# Altium PCB ExternalModule.PcbDoc
Units mm, origin at the board's own origin, x right, y up, seen from the top; angles counter-clockwise.
Board outline 148.59 x 69.85 mm, 2 copper layers (Top Layer, Bottom Layer); 103 components, 94 nets, 281 pads, 14 vias.
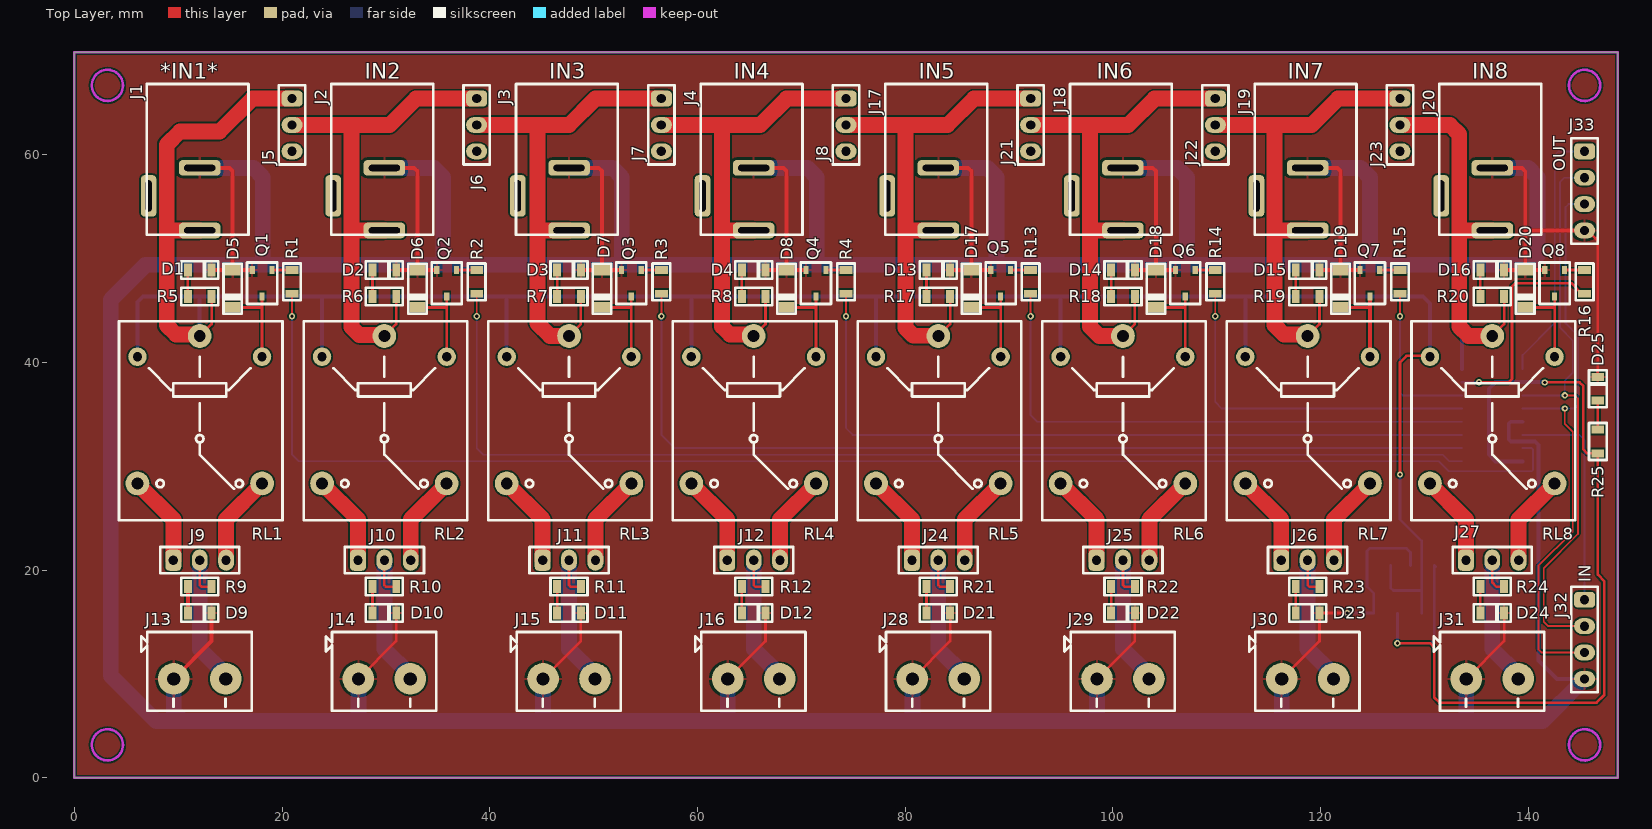
[diagram p0: Top Layer view]
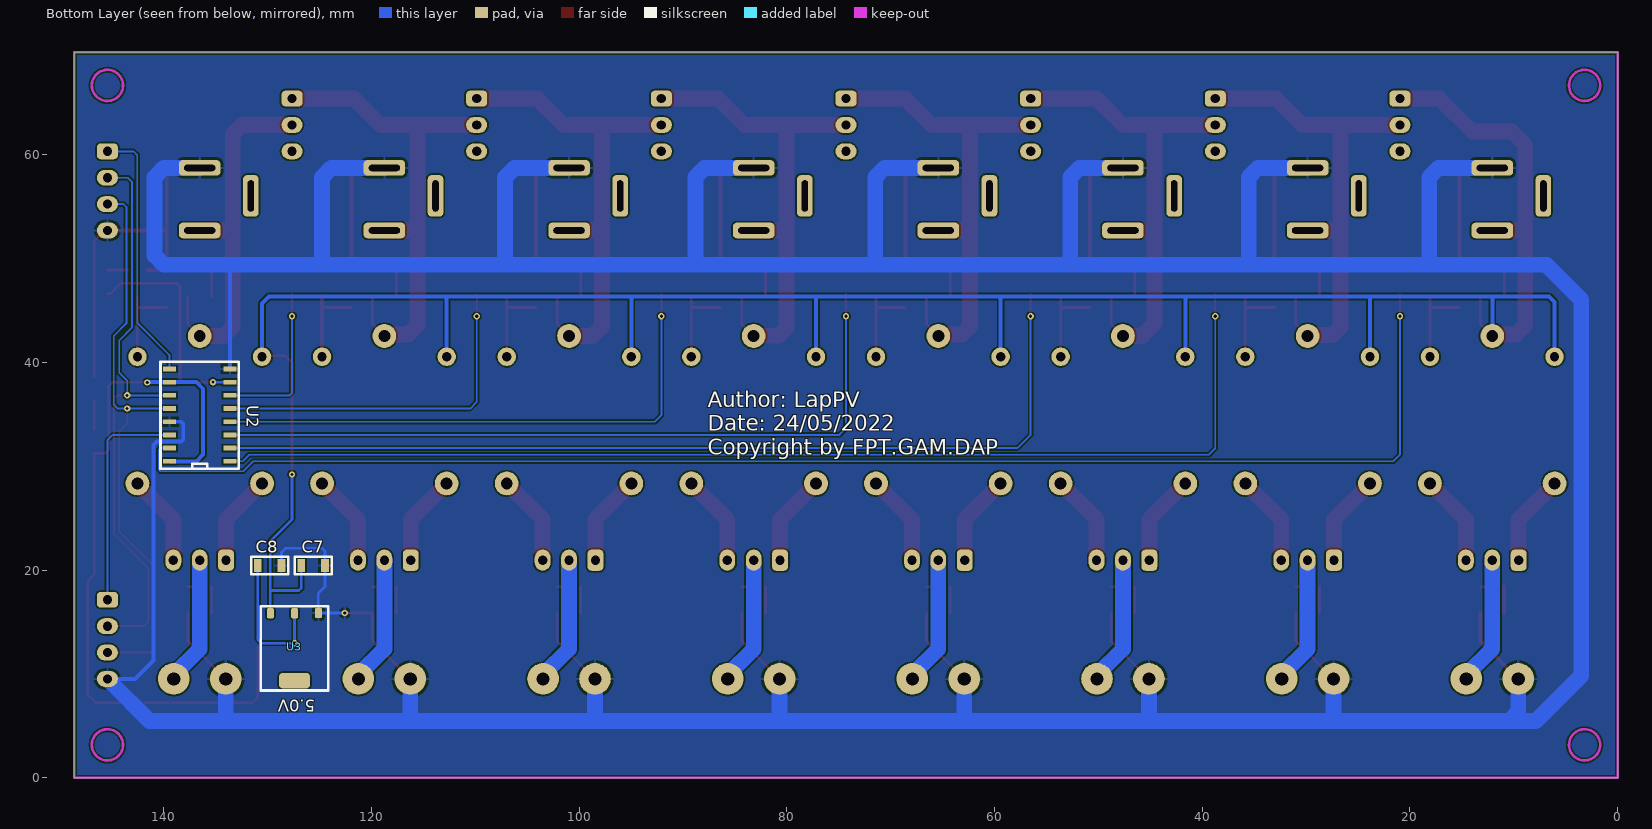
[diagram p1: Bottom Layer view, seen from below]
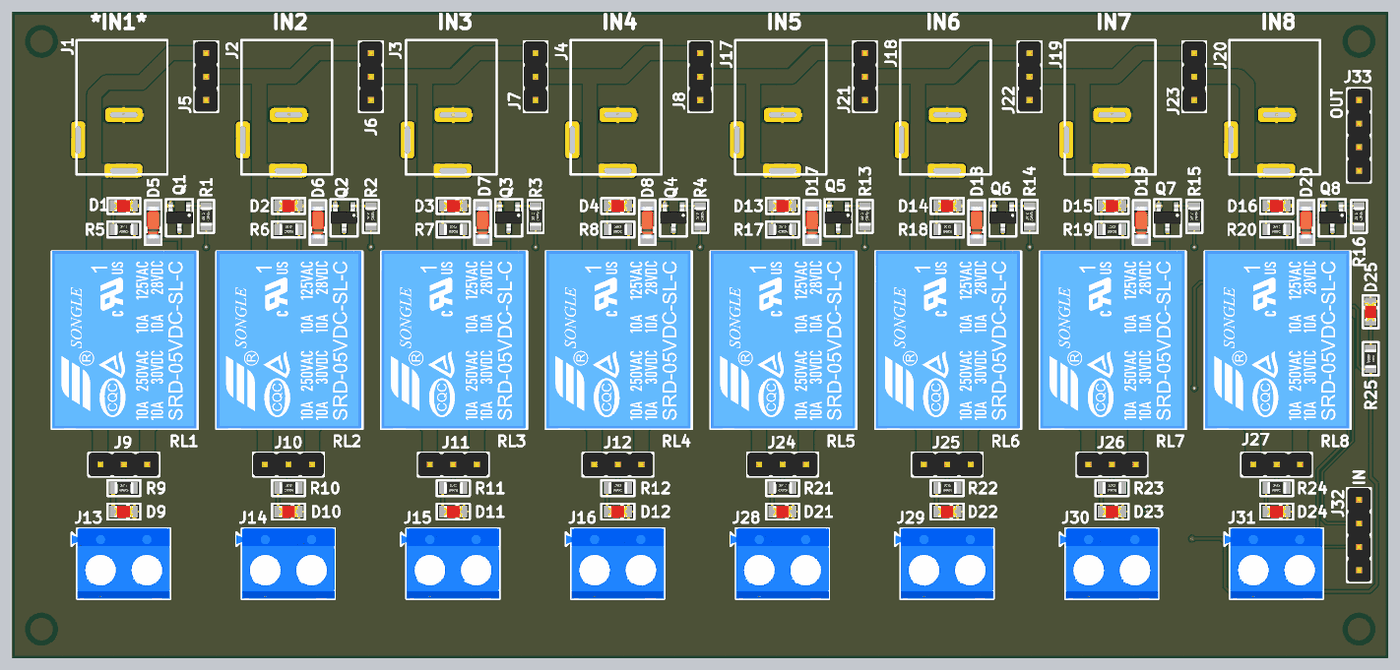
[diagram p2: 3D render of the assembled board from above, using the file's embedded part models]
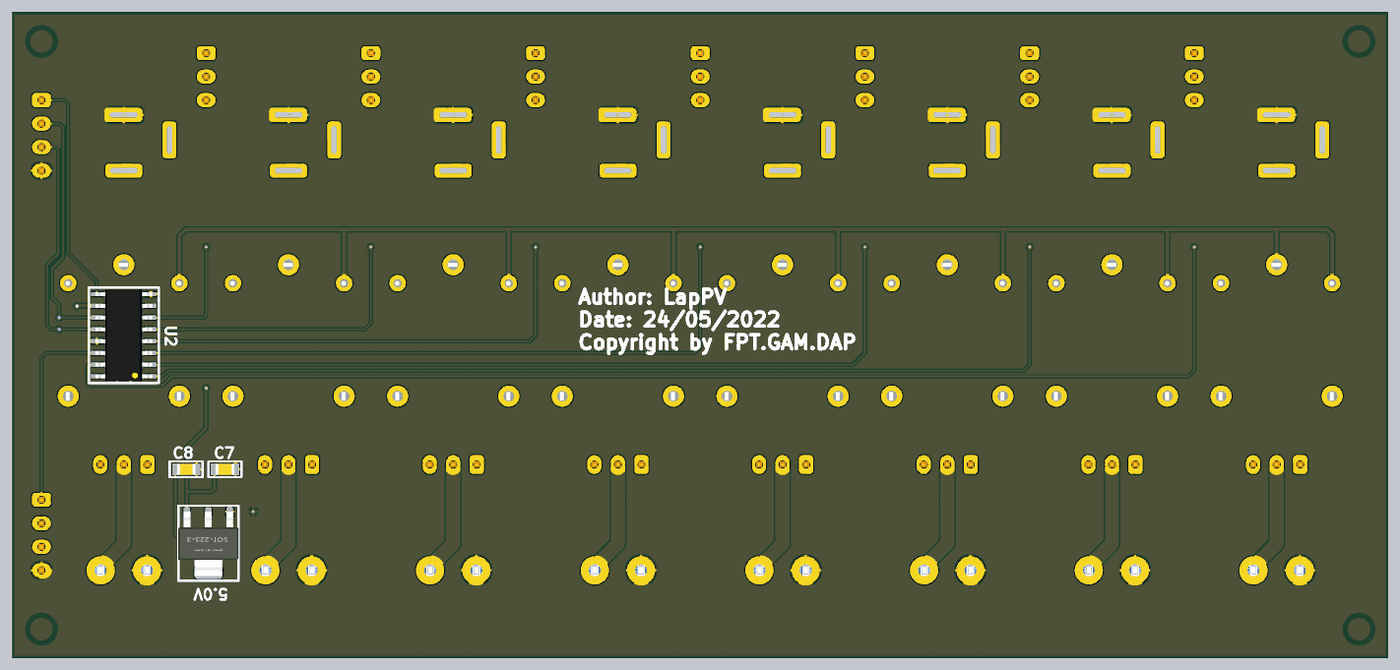
[diagram p3: 3D render of the assembled board from below, using the file's embedded part models]

## Layer stack, top to bottom
Top Solder: solder mask 0.0102, Solder Resist, Dk 3.5
Top Layer: signal copper 0.0356
Dielectric 1: dielectric 0.32, FR-4, Dk 4.8
Bottom Layer: signal copper 0.0356
Bottom Solder: solder mask 0.0102, Solder Resist, Dk 3.5

## Board outline
0,0 0,69.85 148.59,69.85 148.59,0

## Design rules (kind name [scope] priority, off if disabled: settings)
Clearance [All] p1: gap=0.152 ignorepadtopadclearanceinfootprint=FALSE
PolygonConnect [All] p1: connectstyle=Relief reliefconductorwidth=0.254 reliefentries=4 polygonreliefangle="90 Angle" airgapwidth=0.254
RoutingVias [All] p1: holewidth=0.3 width=0.6 viastyle="Through Hole" minholewidth=0.3 minwidth=0.6 maxholewidth=0.3 maxwidth=0.6
SolderMaskExpansion [All] p1: expansion=0.102 istentingtop=FALSE
Width [All] p1: maxlimit=1.524 minlimit=0.178 preferedwidth=0.254
30 further rules are at their usual default settings.

## Components (designator, comment, footprint, x,y, rotation, side; value= is the part's Value field where it differs from the comment)
C7 "104" C0805 125.603,20.447 r180 bottom
C8 "104" C0805 129.794,20.447 r180 bottom
D1 "LED0805" L0805RED 12.065,48.895 r0 top
D2 "LED0805" L0805RED 29.845,48.895 r0 top
D3 "LED0805" L0805RED 47.625,48.895 r0 top
D4 "LED0805" L0805RED 65.405,48.895 r0 top
D5 "1N4148" SOD-80 15.24,47.095 r270 top
D6 "1N4148" SOD-80 33.02,47.095 r270 top
D7 "1N4148" SOD-80 50.8,47.095 r270 top
D8 "1N4148" SOD-80 68.58,47.095 r270 top
D9 "LED0805" L0805RED 12.065,15.875 r0 top
D10 "LED0805" L0805RED 29.845,15.875 r0 top
D11 "LED0805" L0805RED 47.625,15.875 r0 top
D12 "LED0805" L0805RED 65.405,15.875 r0 top
D13 "LED0805" L0805RED 83.185,48.895 r0 top
D14 "LED0805" L0805RED 100.965,48.895 r0 top
D15 "LED0805" L0805RED 118.745,48.895 r0 top
D16 "LED0805" L0805RED 136.525,48.895 r0 top
D17 "1N4148" SOD-80 86.36,47.095 r270 top
D18 "1N4148" SOD-80 104.14,47.095 r270 top
D19 "1N4148" SOD-80 121.92,47.095 r270 top
D20 "1N4148" SOD-80 139.7,47.095 r270 top
D21 "LED0805" L0805RED 83.185,15.875 r0 top
D22 "LED0805" L0805RED 100.965,15.875 r0 top
D23 "LED0805" L0805RED 118.745,15.875 r0 top
D24 "LED0805" L0805RED 136.525,15.875 r0 top
D25 "LED0805" L0805RED 146.685,37.465 r90 top
J1 "Connector" DC_K375A_Power -0.935,60.005 r180 top
J2 "Connector" DC_K375A_Power 16.845,60.005 r180 top
J3 "Connector" DC_K375A_Power 34.625,60.005 r180 top
J4 "Connector" DC_K375A_Power 52.405,60.005 r180 top
J5 "HEADER-MALE-2.54MM" HEADER-MALE-03PINS-2.54MM 20.955,65.405 r270 top
J6 "HEADER-MALE-2.54MM" HEADER-MALE-03PINS-2.54MM 38.735,65.405 r270 top
J7 "HEADER-MALE-2.54MM" HEADER-MALE-03PINS-2.54MM 56.515,65.405 r270 top
J8 "HEADER-MALE-2.54MM" HEADER-MALE-03PINS-2.54MM 74.295,65.405 r270 top
J9 "HEADER-MALE-2.54MM" HEADER-MALE-03PINS-2.54MM 9.525,20.955 r0 top
J10 "HEADER-MALE-2.54MM" HEADER-MALE-03PINS-2.54MM 27.305,20.955 r0 top
J11 "HEADER-MALE-2.54MM" HEADER-MALE-03PINS-2.54MM 45.085,20.955 r0 top
J12 "HEADER-MALE-2.54MM" HEADER-MALE-03PINS-2.54MM 62.865,20.955 r0 top
J13 "KF306" DG306-5.0-02P-12-00AH 12.065,9.525 r0 top
J14 "KF306" DG306-5.0-02P-12-00AH 29.845,9.525 r0 top
J15 "KF306" DG306-5.0-02P-12-00AH 47.625,9.525 r0 top
J16 "KF306" DG306-5.0-02P-12-00AH 65.405,9.525 r0 top
J17 "Connector" DC_K375A_Power 70.185,60.005 r180 top
J18 "Connector" DC_K375A_Power 87.965,60.005 r180 top
J19 "Connector" DC_K375A_Power 105.745,60.005 r180 top
J20 "Connector" DC_K375A_Power 123.525,60.005 r180 top
J21 "HEADER-MALE-2.54MM" HEADER-MALE-03PINS-2.54MM 92.075,65.405 r270 top
J22 "HEADER-MALE-2.54MM" HEADER-MALE-03PINS-2.54MM 109.855,65.405 r270 top
J23 "HEADER-MALE-2.54MM" HEADER-MALE-03PINS-2.54MM 127.635,65.405 r270 top
J24 "HEADER-MALE-2.54MM" HEADER-MALE-03PINS-2.54MM 80.645,20.955 r0 top
J25 "HEADER-MALE-2.54MM" HEADER-MALE-03PINS-2.54MM 98.425,20.955 r0 top
J26 "HEADER-MALE-2.54MM" HEADER-MALE-03PINS-2.54MM 116.205,20.955 r0 top
J27 "HEADER-MALE-2.54MM" HEADER-MALE-03PINS-2.54MM 133.985,20.955 r0 top
J28 "KF306" DG306-5.0-02P-12-00AH 83.185,9.525 r0 top
J29 "KF306" DG306-5.0-02P-12-00AH 100.965,9.525 r0 top
J30 "KF306" DG306-5.0-02P-12-00AH 118.745,9.525 r0 top
J31 "KF306" DG306-5.0-02P-12-00AH 136.525,9.525 r0 top
J32 "IN" HEADER-MALE-04PINS-2.54MM 145.415,17.145 r270 top
J33 "OUT" HEADER-MALE-04PINS-2.54MM 145.415,60.325 r270 top
Q1 "2N3904" SOT23-3 18.065,47.625 r180 top
Q2 "2N3904" SOT23-3 35.845,47.625 r180 top
Q3 "2N3904" SOT23-3 53.625,47.625 r180 top
Q4 "2N3904" SOT23-3 71.405,47.625 r180 top
Q5 "2N3904" SOT23-3 89.185,47.625 r180 top
Q6 "2N3904" SOT23-3 106.965,47.625 r180 top
Q7 "2N3904" SOT23-3 124.745,47.625 r180 top
Q8 "2N3904" SOT23-3 142.525,47.625 r180 top
R1 "10k" R0805 20.955,47.752 r90 top
R2 "10k" R0805 38.735,47.752 r90 top
R3 "10k" R0805 56.515,47.752 r90 top
R4 "10k" R0805 74.295,47.752 r90 top
R5 "10k" R0805 12.065,46.355 r0 top
R6 "10k" R0805 29.845,46.355 r0 top
R7 "10k" R0805 47.625,46.355 r0 top
R8 "10k" R0805 65.405,46.355 r0 top
R9 "10k" R0805 12.065,18.415 r0 top
R10 "10k" R0805 29.845,18.415 r0 top
R11 "10k" R0805 47.625,18.415 r0 top
R12 "10k" R0805 65.405,18.415 r0 top
R13 "10k" R0805 92.075,47.752 r90 top
R14 "10k" R0805 109.855,47.752 r90 top
R15 "10k" R0805 127.635,47.752 r90 top
R16 "10k" R0805 145.415,47.752 r90 top
R17 "10k" R0805 83.185,46.355 r0 top
R18 "10k" R0805 100.965,46.355 r0 top
R19 "10k" R0805 118.745,46.355 r0 top
R20 "10k" R0805 136.525,46.355 r0 top
R21 "10k" R0805 83.185,18.415 r0 top
R22 "10k" R0805 100.965,18.415 r0 top
R23 "10k" R0805 118.745,18.415 r0 top
R24 "10k" R0805 136.525,18.415 r0 top
R25 "10k" R0805 146.685,32.385 r270 top
RL1 "Relay-SONGLE-SRD-05VDC" RELAY-SONGLE-SRD-05VDC_BLUE 12.065,35.449 r90 top
RL2 "Relay-SONGLE-SRD-05VDC" RELAY-SONGLE-SRD-05VDC_BLUE 29.845,35.449 r90 top
RL3 "Relay-SONGLE-SRD-05VDC" RELAY-SONGLE-SRD-05VDC_BLUE 47.625,35.449 r90 top
RL4 "Relay-SONGLE-SRD-05VDC" RELAY-SONGLE-SRD-05VDC_BLUE 65.405,35.449 r90 top
RL5 "Relay-SONGLE-SRD-05VDC" RELAY-SONGLE-SRD-05VDC_BLUE 83.185,35.449 r90 top
RL6 "Relay-SONGLE-SRD-05VDC" RELAY-SONGLE-SRD-05VDC_BLUE 100.965,35.449 r90 top
RL7 "Relay-SONGLE-SRD-05VDC" RELAY-SONGLE-SRD-05VDC_BLUE 118.745,35.449 r90 top
RL8 "Relay-SONGLE-SRD-05VDC" RELAY-SONGLE-SRD-05VDC_BLUE 136.525,35.449 r90 top
U2 "74HC595D" SO16 136.525,34.925 r0 bottom
U3 "5.0V" SOT223-3 127.395,12.4 r0 bottom

## Footprints (in the part's own frame and the unit in brackets; to place one, negate y for a bottom-side part, rotate by r counter-clockwise, add the part's x,y. Pads: shape width x height; smd on the part's side, far side on the other; paste and mask are expansions set on the pad)
C0805 [mil]
  rect 30x48.82 smd: 1(-45,0) 2(45,0)
  silkscreen extent -70,-33 70,33, body extent -39,-24 39,24, height 39
DC_K375A_Power [mm]
  rrect50% 4x1.5 hole 0.6 slot 3 at 0 deg: 1(-13,7.3) 2(-13,1.275)
  rrect50% 1.5x4 hole 0.6 slot 3 at 90 deg: 3(-8.075,3.975)
  silkscreen extent -17.7,-6.8 -7.9,7.7, body extent -17.7,-6.8 -7.9,7.7, height 11
DG306-5.0-02P-12-00AH [mil] "• Current rating: 10 A AC/DC  • Voltage rating: 300 V AC/DC  • Temperature range: -30° ~ +120°  • Applicable wire: 22-14AWG UL (0.5 - 1.5mm² IEC)"
  round 120 hole 50: 1(-98.43,0) 2(98.43,0)
  silkscreen extent -221,-121 197,178, body extent -221,-121 196,178, height 394
HEADER-MALE-03PINS-2.54MM [mil]
  rrect50% 60x80 hole 35: 1(0,0)
  oval 60x80 hole 35: 2(100,0) 3(200,0)
  silkscreen extent -50,-50 250,50, body extent -50,-50 250,50, height 350
HEADER-MALE-04PINS-2.54MM [mil]
  rrect50% 60x80 hole 35: 1(0,0)
  oval 60x80 hole 35: 2(100,0) 3(200,0) 4(300,0)
  silkscreen extent -50,-50 350,50, body extent -50,-50 350,50, height 350
L0805RED [mil]
  rect 30x48.82 smd: 1(-45,0) 2(45,0)
  silkscreen extent -70,-35 70,35, body extent -39,-25 39,25, height 43
R0805 [mil]
  rect 30x48.82 smd: 1(-45,0) 2(45,0)
  silkscreen extent -70,-33 70,33, body extent -39,-25 40,25, height 18
RELAY-SONGLE-SRD-05VDC_BLUE [mil]
  round 70 hole 35: 1(200.61,-236.22) 3(200.61,236.22)
  round 90 hole 45: 2(279.35,0) 4(-279.7,236.22) 5(-279.7,-236.22)
  silkscreen extent -419,-314 335,306, body extent -418,-309 338,305, height 626
SO16 [mil]
  rect 50x18 smd: 1(-114.78,174.95) 2(-114.78,124.95) 3(-114.78,74.95) 4(-114.78,24.95) 5(-114.78,-25.05) 6(-114.78,-75.05) 7(-114.78,-125.05) 8(-114.78,-175.05) 9(114.78,-174.95) 10(114.78,-124.95) 11(114.78,-74.95) 12(114.78,-24.95) 13(114.78,25.05) 14(114.78,75.05) 15(114.78,125.05) 16(114.78,175.05)
  silkscreen extent -148,-203 149,203, body extent -121,-196 121,196, height 69
SOD-80 [mil]
  rect 40x60 smd: 1(-70.87,0) 2(70.87,0)
  silkscreen extent -95,-35 95,37, body extent -69,-30 69,29, height 58
SOT23-3 [mm]
  rect 0.5x0.8 smd: 1(-0.95,-1.27) 2(0.95,-1.27) 3(0,1.27)
  silkscreen extent -1.45,-2 1.45,2, body extent -1.45,-1.4 1.45,1.4, height 1.3
SOT223-3 [mm]
  rrect50% 0.7x1 smd: 1(-2.3,-3.475) 2(0,-3.45) 3(2.325,-3.45)
  rrect50% 3x1.5 smd: 4(0,3.048)
  silkscreen extent -3.25,-4.11 3.25,3.99, body extent -3.25,-3.5 3.25,3.5, height 1.7

## Part data
C7 C8: library part Capacitors(SMD)
D5 D6 D7 D8 D17 D18 D19 D20: library part Diode-1N4148, "The fast switching diode"
J1 J2 J3 J4 J17 J18 J19 J20: library part JackDC
J5 J6 J7 J8 J9 J10 J11 J12 J21 J22 J23 J24 J25 J26 J27: library part HEADER-MALE-03PINS-2.54MM
J13 J14 J15 J16 J28 J29 J30 J31: library part DG306-5.0-02P-12-00AH
J32 J33: library part HEADER-MALE-04PINS-2.54MM
Q1 Q2 Q3 Q4 Q5 Q6 Q7 Q8: library part Transistor-2N3904
R1 R2 R3 R4 R5 R6 R7 R8 R9 R10 R11 R12 R13 R14 R15 R16 R17 R18 R19 R20 R21 R22 R23 R24 R25: library part Resistors-SMD
U2: library part Ic-74HC595D
U3: library part Ic-AMS1117(SOT-223)

## Via types
v1: diameter 0.6, hole 0.3, Top Layer to Bottom Layer, tented both sides, 14 vias

## Nets (pads, with @x,y where several pads share a name; then routed paths per layer and width w, separated by ;. In a path a pad name is that pad's centre, name@x,y a point inside that pad or via, vN(x,y) a via of type N, cw(c..) or ccw(c..) an arc to the next point about the centre after c; other vN are vias at no path point)
+12: C7.1 J1.1 J5.1 R5.2 RL1.2 RL1.3 RL2.3 RL3.3 RL4.3 RL5.3 RL6.3 RL7.3 RL8.3 U3.3 | length 249.9
  Top Layer w0.254: RL1.2 13.208,43.688 R5.2 ; v1(127.635,29.21) 127.635,40.005 128.27,40.64 130.43,40.64 RL8.3
  Top Layer w1.524: RL1.2 11.919,42.691 9.779,42.691 8.89,43.58 8.89,52.705 ; J1.1 8.89,52.705 ; J5.1 17.145,65.405 13.97,62.23 10.16,62.23 8.89,60.96 8.89,52.705
  Bottom Layer w0.254: C7.1 126.746,18.288 127,18.034 129.72,18.034 ; v1(127.635,29.21) 127.635,24.892 129.72,22.807 129.72,18.034 ; U3.3 129.72,18.034
  Bottom Layer w0.381: RL1.3 6.065,45.816 6.604,46.355 12.065,46.355 ; RL1.2 12.065,46.355 ; RL2.3 23.845,46.322 23.812,46.355 ; RL3.3 41.625,46.322 41.593,46.355 ; RL4.3 59.405,46.322 59.372,46.355 ; RL5.3 77.185,46.322 77.153,46.355 ; RL6.3 94.965,46.322 94.932,46.355 ; RL7.3 112.745,46.322 112.712,46.355 ; RL8.3 130.525,45.687 129.857,46.355 112.712,46.355 ; 12.065,46.355 23.812,46.355 ; 23.812,46.355 41.593,46.355 ; 41.593,46.355 59.372,46.355 ; 59.372,46.355 77.153,46.355 ; 77.153,46.355 94.932,46.355 ; 94.932,46.355 112.712,46.355
CLK: J32.2 J33.2 U2.11 | length 56.3
  Top Layer w0.178: v1(143.51,36.83) 144.475,36.83 144.78,36.525 144.78,23.495 141.478,20.193 141.478,15.05 141.922,14.605 J32.2
  Bottom Layer w0.178: U2.11 v1(143.51,36.83) 143.51,38.227 144.272,38.989 144.272,42.113 143.053,43.332 143.053,57.404 143.434,57.785 J33.2
CS: 
DAT: J32.1 U2.14 | length 21.6
  Bottom Layer w0.178: U2.14 144.908,33.019 145.415,32.512 J32.1
GND: C7.2 C8.2 D1.2 D2.2 D3.2 D4.2 D5.1 D6.1 D7.1 D8.1 D9.2 D10.2 D11.2 D12.2 D13.2 D14.2 D15.2 D16.2 D17.1 D18.1 D19.1 D20.1 D21.2 D22.2 D23.2 D24.2 D25.2 J1.2 J2.2 J3.2 J4.2 J13.1 J14.1 J15.1 J16.1 J17.2 J18.2 J19.2 J20.2 J28.1 J29.1 J30.1 J31.1 J32.4 J33.4 Q1.2 Q2.2 Q3.2 Q4.2 Q5.2 Q6.2 Q7.2 Q8.2 U2.8 U2.13 U3.1 | length 745.3
  Top Layer w0.254: J14.1 30.988,13.168 D10.2 ; J15.1 48.768,13.168 D11.2 ; J16.1 66.548,13.168 D12.2 ; J28.1 84.328,13.168 D21.2 ; J29.1 102.108,13.168 D22.2 ; J30.1 119.888,13.168 D23.2 v1(122.555,15.875) ; J31.1 137.668,13.168 D24.2 ; J33.4 145.669,52.705 146.685,51.689 D25.2
  Top Layer w0.381: J13.1 13.208,13.168 D9.2 ; J1.2 14.93,58.73 15.24,58.42 D5.1 ; D1.2 D5.1 ; Q1.2 D5.1 ; J2.2 32.71,58.73 33.02,58.42 D6.1 ; D2.2 D6.1 ; Q2.2 D6.1 ; J3.2 47.633,58.737 50.482,58.737 50.8,58.42 D7.1 ; D3.2 D7.1 ; Q3.2 D7.1 ; J4.2 68.27,58.73 68.58,58.42 D8.1 ; D4.2 D8.1 ; Q4.2 D8.1 ; J17.2 86.05,58.73 86.36,58.42 D17.1 ; D13.2 D17.1 ; Q5.2 D17.1 ; J18.2 103.83,58.73 104.14,58.42 D18.1 ; D14.2 D18.1 ; Q6.2 D18.1 ; J19.2 121.61,58.73 121.92,58.42 D19.1 ; D15.2 D19.1 ; Q7.2 D19.1 ; J20.2 139.375,58.73 139.7,58.405 139.7,52.705 ; D16.2 D20.1 ; Q8.2 D20.1 ; J33.4 139.7,52.705 ; D20.1 139.7,52.705
  Bottom Layer w0.254: v1(122.555,15.875) U3.1 125.095,17.78 124.46,18.415 C7.2 124.46,21.844 124.714,22.098 128.27,22.098 128.651,21.717 C8.2
  Bottom Layer w0.381: 133.604,49.403 133.61,49.397 U2.8 ; U2.13 138.302,34.289 138.112,34.099 138.112,32.575 138.303,32.385 140.653,32.385 140.97,32.067 140.97,11.303 142.748,9.525 J32.4
  Bottom Layer w1.524: J13.1 9.565,6.354 10.458,5.461 ; J1.2 17.243,58.73 18.136,57.837 18.136,49.479 18.059,49.403 ; J14.1 27.345,5.501 27.305,5.461 ; J2.2 34.616,58.73 35.509,57.837 35.509,49.403 ; J15.1 45.125,5.755 44.831,5.461 ; J3.2 51.812,58.73 52.705,57.837 52.705,49.403 ; J16.1 62.905,5.628 62.738,5.461 ; J4.2 70.583,58.73 71.476,57.837 71.476,49.403 ; J28.1 80.685,5.501 80.645,5.461 ; J17.2 87.906,58.73 88.798,57.837 88.798,49.454 88.849,49.403 ; J29.1 98.465,5.755 98.171,5.461 ; J18.2 106.207,58.73 107.115,57.821 107.115,49.407 107.112,49.403 ; J30.1 116.245,5.548 116.332,5.461 ; J19.2 123.847,58.73 124.739,57.837 124.739,49.428 124.714,49.403 ; J31.1 134.025,5.755 133.731,5.461 ; J20.2 139.976,58.73 140.868,57.837 140.868,50.296 139.976,49.403 133.604,49.403 124.714,49.403 ; J32.4 145.161,9.525 145.161,9.271 141.351,5.461 133.731,5.461 ; 10.458,5.461 27.305,5.461 ; 10.458,5.461 7.874,5.461 3.492,9.842 3.492,46.038 6.858,49.403 18.059,49.403 ; 18.059,49.403 35.509,49.403 ; 27.305,5.461 44.831,5.461 ; 35.509,49.403 52.705,49.403 ; 44.831,5.461 62.738,5.461 ; 52.705,49.403 71.476,49.403 ; 62.738,5.461 80.645,5.461 ; 71.476,49.403 88.849,49.403 ; 80.645,5.461 98.171,5.461 ; 88.849,49.403 107.112,49.403 ; 98.171,5.461 116.332,5.461 ; 107.112,49.403 124.714,49.403 ; 116.332,5.461 133.731,5.461
ICE_CLK: 
ICE_DAT: 
LAT: J32.3 J33.3 U2.12 | length 56.7
  Top Layer w0.178: v1(143.51,35.56) 143.51,34.099 144.272,33.337 144.272,23.705 140.97,20.403 140.97,12.383 141.287,12.065 J32.3
  Bottom Layer w0.178: U2.12 v1(143.51,35.56) 144.399,35.56 144.805,35.966 144.805,42.545 143.586,43.764 143.586,54.966 143.866,55.245 J33.3 ; J32.3 J32.3@145.669,12.065
NetC2_1: 
NetD1_1: D1.1 R5.1 | length 2.5
  Top Layer w0.254: R5.1 D1.1
NetD2_1: D2.1 R6.1 | length 2.5
  Top Layer w0.254: R6.1 D2.1
NetD3_1: D3.1 R7.1 | length 2.5
  Top Layer w0.254: R7.1 D3.1
NetD4_1: D4.1 R8.1 | length 2.5
  Top Layer w0.254: R8.1 D4.1
NetD5_2: D5.2 Q1.3 RL1.1 | length 8.6
  Top Layer w0.254: D5.2 18.065,45.295 ; RL1.1 18.065,45.295 ; Q1.3 18.065,45.295
NetD6_2: D6.2 Q2.3 RL2.1 | length 8.6
  Top Layer w0.254: D6.2 35.845,45.295 ; RL2.1 35.845,45.295 ; Q2.3 35.845,45.295
NetD7_2: D7.2 Q3.3 RL3.1 | length 8.6
  Top Layer w0.254: D7.2 53.625,45.295 ; RL3.1 53.625,45.295 ; Q3.3 53.625,45.295
NetD8_2: D8.2 Q4.3 RL4.1 | length 8.6
  Top Layer w0.254: D8.2 71.405,45.295 ; RL4.1 71.405,45.295 ; Q4.3 71.405,45.295
NetD9_1: D9.1 R9.1 | length 2.5
  Top Layer w0.381: D9.1 R9.1
NetD10_1: D10.1 R10.1 | length 2.5
  Top Layer w0.254: D10.1 R10.1
NetD11_1: D11.1 R11.1 | length 2.5
  Top Layer w0.254: D11.1 R11.1
NetD12_1: D12.1 R12.1 | length 2.5
  Top Layer w0.254: D12.1 R12.1
NetD13_1: D13.1 R17.1 | length 2.5
  Top Layer w0.254: R17.1 D13.1
NetD14_1: D14.1 R18.1 | length 2.5
  Top Layer w0.254: R18.1 D14.1
NetD15_1: D15.1 R19.1 | length 2.5
  Top Layer w0.254: R19.1 D15.1
NetD16_1: D16.1 R20.1 | length 2.5
  Top Layer w0.254: R20.1 D16.1
NetD17_2: D17.2 Q5.3 RL5.1 | length 8.6
  Top Layer w0.254: D17.2 89.185,45.295 ; RL5.1 89.185,45.295 ; Q5.3 89.185,45.295
NetD18_2: D18.2 Q6.3 RL6.1 | length 8.6
  Top Layer w0.254: D18.2 106.965,45.295 ; RL6.1 106.965,45.295 ; Q6.3 106.965,45.295
NetD19_2: D19.2 Q7.3 RL7.1 | length 8.6
  Top Layer w0.254: D19.2 124.745,45.295
  Top Layer w0.381: RL7.1 124.745,45.295 Q7.3
NetD20_2: D20.2 Q8.3 RL8.1 | length 8.7
  Top Layer w0.254: D20.2@139.751,45.346 D20.2 142.525,45.295 ; RL8.1 142.525,45.295 ; Q8.3 142.525,45.295
NetD21_1: D21.1 R21.1 | length 2.5
  Top Layer w0.254: D21.1 R21.1
NetD22_1: D22.1 R22.1 | length 2.5
  Top Layer w0.254: D22.1 R22.1
NetD23_1: D23.1 R23.1 | length 2.5
  Top Layer w0.254: D23.1 R23.1
NetD24_1: D24.1 R24.1 | length 2.5
  Top Layer w0.254: D24.1 R24.1
NetD25_1: D25.1 R25.1 | length 2.8
  Top Layer w0.254: R25.1 D25.1
NetD26_1: 
NetD27_1: 
NetJ2_1: J2.1 J5.2 J6.1 R6.2 RL2.2 | length 49.3
  Top Layer w0.254: RL2.2 30.988,43.688 R6.2
  Top Layer w1.524: J5.2 26.67,62.865 ; RL2.2 29.743,42.647 27.432,42.647 26.67,43.409 26.67,52.705 ; J2.1 26.67,52.705 ; J6.1 32.893,65.405 30.353,62.865 26.67,62.865 ; 26.67,52.705 26.67,62.865
NetJ3_1: J3.1 J6.2 J7.1 R7.2 RL3.2 | length 48.8
  Top Layer w0.254: RL3.2 48.768,43.688 R7.2
  Top Layer w1.524: J6.2 44.577,62.865 ; RL3.2 45.809,42.545 44.577,43.777 44.577,52.705 ; J3.1 44.577,52.705 ; J7.1 50.165,65.405 47.625,62.865 44.577,62.865 ; 44.577,52.705 44.577,62.865
NetJ4_1: J4.1 J7.2 J8.1 R8.2 RL4.2 | length 49
  Top Layer w0.254: RL4.2 66.548,43.688 R8.2
  Top Layer w1.524: J7.2 62.357,62.865 ; RL4.2 65.259,42.691 63.119,42.691 62.357,43.453 62.357,52.705 ; J4.1 62.357,52.705 ; J8.1 68.58,65.405 66.04,62.865 62.357,62.865 ; 62.357,52.705 62.357,62.865
NetJ8_2: J8.2 J17.1 J21.1 R17.2 RL5.2 | length 49.3
  Top Layer w0.254: RL5.2 84.328,43.688 R17.2
  Top Layer w1.524: J8.2 80.01,62.865 ; RL5.2 83.16,42.57 80.772,42.57 80.01,43.332 80.01,52.705 ; J17.1 80.01,52.705 ; J21.1 86.614,65.405 84.074,62.865 80.01,62.865 ; 80.01,52.705 80.01,62.865
NetJ9_1: J9.1 RL1.4 | length 8.8
  Top Layer w1.524: RL1.4 9.525,24.885 J9.1
NetJ9_2: J9.2 J13.2 R9.2 | length 16.1
  Top Layer w0.254: J9.2 12.065,18.564 12.214,18.415 R9.2
  Bottom Layer w1.524: J9.2 12.065,12.413 14.565,9.913 J13.2
NetJ9_3: J9.3 RL1.5 | length 8.8
  Top Layer w1.524: J9.3 14.605,24.885 RL1.5
NetJ10_1: J10.1 RL2.4 | length 8.8
  Top Layer w1.524: RL2.4 27.305,24.885 J10.1
NetJ10_2: J10.2 J14.2 R10.2 | length 16.1
  Top Layer w0.254: J10.2 29.845,18.564 29.994,18.415 R10.2
  Bottom Layer w1.524: J10.2 29.845,12.413 32.345,9.913 J14.2
NetJ10_3: J10.3 RL2.5 | length 8.8
  Top Layer w1.524: J10.3 32.385,24.885 RL2.5
NetJ11_1: J11.1 RL3.4 | length 8.8
  Top Layer w1.524: RL3.4 45.085,24.885 J11.1
NetJ11_2: J11.2 J15.2 R11.2 | length 16.1
  Top Layer w0.254: J11.2 47.625,18.564 47.774,18.415 R11.2
  Bottom Layer w1.524: J11.2 47.625,12.413 50.125,9.913 J15.2
NetJ11_3: J11.3 RL3.5 | length 8.8
  Top Layer w1.524: J11.3 50.165,24.885 RL3.5
NetJ12_1: J12.1 RL4.4 | length 8.8
  Top Layer w1.524: RL4.4 62.865,24.885 J12.1
NetJ12_2: J12.2 J16.2 R12.2 | length 16.1
  Top Layer w0.254: J12.2 65.405,18.564 65.554,18.415 R12.2
  Bottom Layer w1.524: J12.2 65.405,12.413 67.905,9.913 J16.2
NetJ12_3: J12.3 RL4.5 | length 8.8
  Top Layer w1.524: J12.3 67.945,24.885 RL4.5
NetJ18_1: J18.1 J21.2 J22.1 R18.2 RL6.2 | length 49.3
  Top Layer w0.254: RL6.2 102.108,43.688 R18.2
  Top Layer w1.524: J21.2 97.79,62.865 ; RL6.2 98.679,42.545 97.79,43.434 97.79,52.705 ; J18.1 97.79,52.705 ; J22.1 104.013,65.405 101.473,62.865 97.79,62.865 ; 97.79,52.705 97.79,62.865
NetJ19_1: J19.1 J22.2 J23.1 R19.2 RL7.2 | length 49.2
  Top Layer w0.254: RL7.2 119.888,43.688 R19.2
  Top Layer w1.524: J22.2 115.57,62.865 ; RL7.2 118.599,42.691 116.459,42.691 115.57,43.58 115.57,52.705 ; J19.1 115.57,52.705 ; J23.1 121.666,65.405 119.126,62.865 115.57,62.865 ; 115.57,52.705 115.57,62.865
NetJ20_1: J20.1 J23.2 R20.2 RL8.2 | length 35.6
  Top Layer w0.254: RL8.2 137.668,43.688 R20.2
  Top Layer w1.524: J23.2 132.457,62.865 133.35,61.972 133.35,52.705 ; RL8.2 134.239,42.545 133.35,43.434 133.35,52.705 ; J20.1 133.35,52.705
NetJ24_1: J24.1 RL5.4 | length 8.8
  Top Layer w1.524: RL5.4 80.645,24.885 J24.1
NetJ24_2: J24.2 J28.2 R21.2 | length 16.1
  Top Layer w0.254: J24.2 83.185,18.564 83.334,18.415 R21.2
  Bottom Layer w1.524: J24.2 83.185,12.413 85.685,9.913 J28.2
NetJ24_3: J24.3 RL5.5 | length 8.8
  Top Layer w1.524: J24.3 85.725,24.885 RL5.5
NetJ25_1: J25.1 RL6.4 | length 8.8
  Top Layer w1.524: RL6.4 98.425,24.885 J25.1
NetJ25_2: J25.2 J29.2 R22.2 | length 16.1
  Top Layer w0.254: J25.2 100.965,18.564 101.114,18.415 R22.2
  Bottom Layer w1.524: J25.2 100.965,12.413 103.465,9.913 J29.2
NetJ25_3: J25.3 RL6.5 | length 8.8
  Top Layer w1.524: J25.3 103.505,24.885 RL6.5
NetJ26_1: J26.1 RL7.4 | length 8.8
  Top Layer w1.524: RL7.4 116.205,24.885 J26.1
NetJ26_2: J26.2 J30.2 R23.2 | length 16.1
  Top Layer w0.254: J26.2 118.745,18.564 118.894,18.415 R23.2
  Bottom Layer w1.524: J26.2 118.745,12.413 121.245,9.913 J30.2
NetJ26_3: J26.3 RL7.5 | length 8.8
  Top Layer w1.524: J26.3 121.285,24.885 RL7.5
NetJ27_1: J27.1 RL8.4 | length 8.8
  Top Layer w1.524: RL8.4 133.985,24.885 J27.1
NetJ27_2: J27.2 J31.2 R24.2 | length 15.9
  Top Layer w0.254: J27.2 136.525,18.796 136.906,18.415 R24.2
  Bottom Layer w1.524: J27.2 136.525,12.413 139.025,9.913 J31.2
NetJ27_3: J27.3 RL8.5 | length 8.8
  Top Layer w1.524: J27.3 139.065,24.885 RL8.5
NetMCU1_1: 
NetQ1_1: Q1.1 R1.2 | length 1.9
  Top Layer w0.254: Q1.1 R1.2
NetQ2_1: Q2.1 R2.2 | length 1.9
  Top Layer w0.254: Q2.1 R2.2
NetQ3_1: Q3.1 R3.2 | length 1.9
  Top Layer w0.254: Q3.1 R3.2
NetQ4_1: Q4.1 R4.2 | length 1.9
  Top Layer w0.254: Q4.1 R4.2
NetQ5_1: Q5.1 R13.2 | length 1.9
  Top Layer w0.254: Q5.1 R13.2
NetQ6_1: Q6.1 R14.2 | length 1.9
  Top Layer w0.254: Q6.1 R14.2
NetQ7_1: Q7.1 R15.2 | length 1.9
  Top Layer w0.254: Q7.1 R15.2
NetQ8_1: Q8.1 R16.2 | length 1.9
  Top Layer w0.254: Q8.1 R16.2
NetQ9_1: 
NetQ9_3: 
NetR1_1: R1.1 U2.15 | length 138.7
  Top Layer w0.178: v1(20.955,44.45) R1.1
  Bottom Layer w0.178: v1(20.955,44.45) 20.955,31.115 21.59,30.48 131.362,30.48 132.314,29.527 140.313,29.527 140.462,29.676 140.462,31.601 140.313,31.75 U2.15 U2.15
NetR2_1: R2.1 U2.1 | length 110.3
  Top Layer w0.178: v1(38.735,44.45) R2.1
  Bottom Layer w0.178: v1(38.735,44.45) 38.735,31.75 39.37,31.115 131.762,31.115 132.396,30.481 U2.1
NetR3_1: R3.1 U2.2 | length 91.2
  Top Layer w0.178: v1(56.515,44.45) R3.1
  Bottom Layer w0.178: v1(56.515,44.45) 56.515,33.02 57.784,31.751 U2.2
NetR4_1: R4.1 U2.3 | length 72.5
  Top Layer w0.178: v1(74.295,44.45) R4.1
  Bottom Layer w0.178: v1(74.295,44.45) 74.295,33.655 74.929,33.021 U2.3
NetR13_1: R13.1 U2.4 | length 53.5
  Top Layer w0.178: v1(92.075,44.45) R13.1
  Bottom Layer w0.178: v1(92.075,44.45) 92.075,34.925 92.709,34.291 U2.4
NetR14_1: R14.1 U2.5 | length 34.4
  Top Layer w0.178: v1(109.855,44.45) R14.1
  Bottom Layer w0.178: v1(109.855,44.45) 109.855,36.195 110.489,35.561 ; 110.49,35.561 U2.5
NetR15_1: R15.1 U2.6 | length 15.6
  Top Layer w0.178: v1(127.635,44.45) R15.1
  Bottom Layer w0.178: v1(127.635,44.45) 127.635,37.084 127.888,36.831 U2.6
NetR16_1: R16.1 U2.7 | length 21.4
  Top Layer w0.254: v1(135.255,38.1) 138.112,38.1 138.43,38.417 138.43,47.307 138.748,47.625 144.16,47.625 145.176,46.609 R16.1
  Bottom Layer w0.254: U2.7 v1(135.255,38.1)
OUT: J33.1 U2.9 | length 24.9
  Bottom Layer w0.178: U2.9 139.441,40.716 142.545,43.82 142.545,59.969 142.9,60.325 J33.1
RESET: 
SCK: 
SI: 
SO: 
VCC: C8.1 R25.2 U2.10 U2.16 U3.2 | length 89.9
  Top Layer w0.254: v1(127.381,12.954) 130.556,12.954 130.937,12.573 130.937,7.747 131.445,7.239 146.558,7.239 147.32,8.001 147.32,18.923 146.685,19.558 R25.2 145.669,31.242 145.288,31.623 145.288,37.719 144.932,38.075 v1(141.58,38.075)
  Bottom Layer w0.254: U3.2 127.395,12.968 v1(127.381,12.954) 130.556,12.954 130.937,13.335 C8.1 C8.1@131.064,20.32
  Bottom Layer w0.381: U2.16 136.844,30.479 136.207,31.115 136.207,37.465 136.841,38.099 U2.10 141.555,38.099 v1(141.58,38.075)
XT1: 
XT2: 
pads on no net: J1.3 J2.3 J3.3 J4.3 J5.3 J6.3 J7.3 J8.3 J17.3 J18.3 J19.3 J20.3 J21.3 J22.3 J23.3 U3.4

## Polygon pours and split planes (outlines as drawn)
GND on Bottom Layer "GND_L02_P000" (solid, pour order 0): 0,69.85 148.59,69.85 148.59,0 0,0
GND on Top Layer "GND_L01_P001" (solid, pour order 1): 0,69.85 148.59,69.85 148.59,0 0,0

## Keep-outs
Keep-Out Layer:
  circle w0.254: c145.415,66.675 r1.5
  circle w0.254: c145.415,3.175 r1.5
  circle w0.254: c3.175,3.175 r1.5
  circle w0.254: c3.175,66.675 r1.5
  lines w0.254: 0,0 148.59,0 148.59,69.85 0,69.85 0,0

## Silkscreen, mask and mechanical layers (free items; w line width, h text height)
Top Overlay:
  text "*IN1*" at 8.255,67.31 h1.52
  text "IN2" at 27.94,67.31 h1.52
  text "IN3" at 45.72,67.31 h1.52
  text "IN4" at 63.5,67.31 h1.52
  text "IN5" at 81.28,67.31 h1.52
  text "IN6" at 98.425,67.31 h1.52
  text "IN7" at 116.84,67.31 h1.52
  text "IN8" at 134.62,67.31 h1.52
Bottom Overlay:
  text "Author: LapPV / Date: 24/05/2022 / Copyright by FPT.GAM.DAP" at 87.63,31.115 h1.52